# Allegro board RK3588S_Template_LP5D315P232SD10H2_42x42_2750MHz_1R2_V10_20220413YWQ.brd (continued)
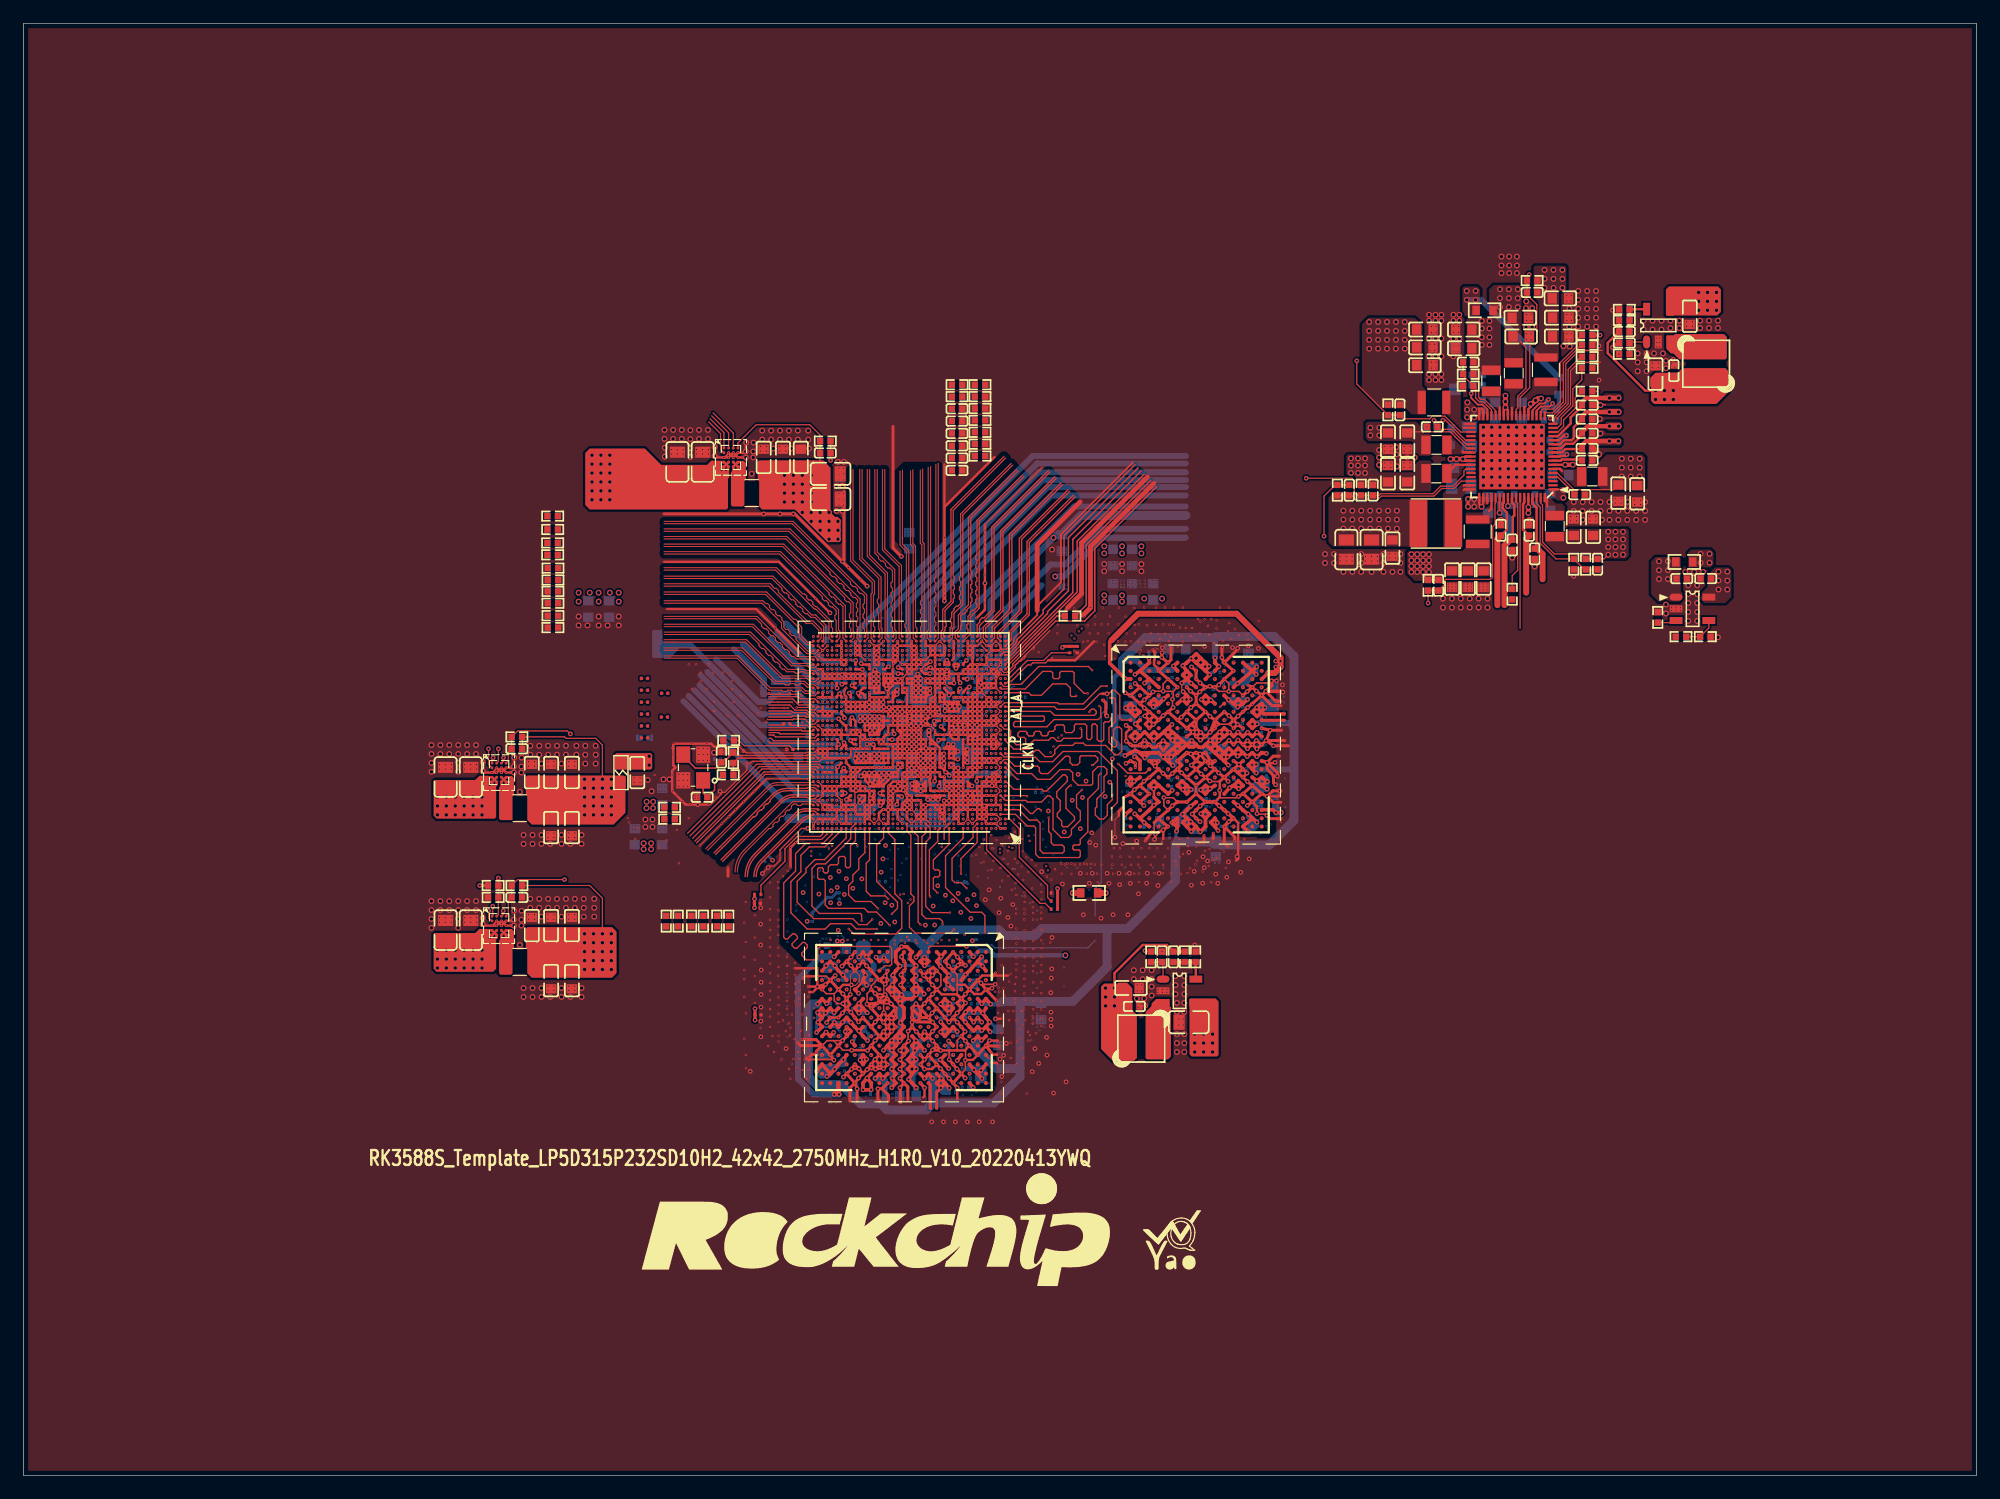
[diagram p0: board, top side]
## Nets (continued)
VCCIO5_1V8: C1904.1 R1908.1 R1909.1 U1000.AF36(VCCIO5_1V8)
VCCIO_FLASH: C1300.1 U1000.AB35(EMMCIO_1V8_1) U1000.AC35(EMMCIO_1V8_2)
VCCIO_SD_S0: C1301.1 C2253.1 U1000.AK10(VCCIO2) U2200.65(PLDO5)
VDD2_DDR_S3: C1254.1 C1256.1 C1259.1 C1260.1 C1261.1 C1266.1 C1267.1 C1268.1 C1270.1 C1272.1 C1273.1 C1274.1 C2214.1 C2215.1 C2216.1 C3930.1 C3931.1 C3932.1 C3934.1 C3935.1 C3936.1 C3937.1 C3938.1 C3940.1 C3943.1 C3944.1 C3945.1 C3946.1 C3949.1 C3980.1 C3981.1 C3982.1 C3983.1 C3987.1 C3990.1 C3991.1 C3992.1 C3993.1 C3994.1 C3996.1 C3999.1 C9923.1 L2202.1 R2218.1 R3920.1 U2200.30(VOUT6) U3900.A7(VDD2H_1) U3900.A8(VDD2H_2) U3900.A9(VDD2H_3) U3900.AA7(VDD2H_57) U3900.AA9(VDD2H_58) U3900.AB7(VDD2H_59) U3900.AB8(VDD2H_60) U3900.AB9(VDD2H_61) U3900.B7(VDD2H_4) U3900.B9(VDD2H_5) U3900.C7(VDD2H_6) U3900.C9(VDD2H_7) U3900.D8(VDD2H_8) U3900.E7(VDD2H_9) U3900.E9(VDD2H_10) U3900.F6(VDD2H_11) U3900.F7(VDD2H_12) U3900.F9(VDD2H_13) U3900.F10(VDD2H_14) U3900.J5(VDD2H_15) U3900.J11(VDD2H_16) U3900.K1(VDD2H_17) U3900.K2(VDD2H_18) U3900.K3(VDD2H_19) U3900.K4(VDD2H_20) U3900.K5(VDD2H_21) U3900.K6(VDD2H_22) U3900.K10(VDD2H_23) U3900.K11(VDD2H_24) U3900.K12(VDD2H_25) U3900.K13(VDD2H_26) U3900.K14(VDD2H_27) U3900.K15(VDD2H_28) U3900.L6(VDD2H_29) U3900.L7(VDD2H_30) U3900.L8(VDD2H_31) U3900.L9(VDD2H_32) U3900.L10(VDD2H_33) U3900.M1(VDD2H_34) U3900.M2(VDD2H_35) U3900.M3(VDD2H_36) U3900.M4(VDD2H_37) U3900.M5(VDD2H_38) U3900.M6(VDD2H_39) U3900.M10(VDD2H_40) U3900.M11(VDD2H_41) U3900.M12(VDD2H_42) U3900.M13(VDD2H_43) U3900.M14(VDD2H_44) U3900.M15(VDD2H_45) U3900.N5(VDD2H_46) U3900.N11(VDD2H_47) U3900.T6(VDD2H_48) U3900.T7(VDD2H_49) U3900.T9(VDD2H_50) U3900.T10(VDD2H_51) U3900.V7(VDD2H_52) U3900.V9(VDD2H_53) U3900.W8(VDD2H_54) U3900.Y7(VDD2H_55) U3900.Y9(VDD2H_56) U3901.A7(VDD2H_1) U3901.A8(VDD2H_2) U3901.A9(VDD2H_3) U3901.AA7(VDD2H_57) U3901.AA9(VDD2H_58) U3901.AB7(VDD2H_59) U3901.AB8(VDD2H_60) U3901.AB9(VDD2H_61) U3901.B7(VDD2H_4) U3901.B9(VDD2H_5) U3901.C7(VDD2H_6) U3901.C9(VDD2H_7) U3901.D8(VDD2H_8) U3901.E7(VDD2H_9) U3901.E9(VDD2H_10) U3901.F6(VDD2H_11) U3901.F7(VDD2H_12) U3901.F9(VDD2H_13) U3901.F10(VDD2H_14) U3901.J5(VDD2H_15) U3901.J11(VDD2H_16) U3901.K1(VDD2H_17) U3901.K2(VDD2H_18) U3901.K3(VDD2H_19) U3901.K4(VDD2H_20) U3901.K5(VDD2H_21) U3901.K6(VDD2H_22) U3901.K10(VDD2H_23) U3901.K11(VDD2H_24) U3901.K12(VDD2H_25) U3901.K13(VDD2H_26) U3901.K14(VDD2H_27) U3901.K15(VDD2H_28) U3901.L6(VDD2H_29) U3901.L7(VDD2H_30) U3901.L8(VDD2H_31) U3901.L9(VDD2H_32) U3901.L10(VDD2H_33) U3901.M1(VDD2H_34) U3901.M2(VDD2H_35) U3901.M3(VDD2H_36) U3901.M4(VDD2H_37) U3901.M5(VDD2H_38) U3901.M6(VDD2H_39) U3901.M10(VDD2H_40) U3901.M11(VDD2H_41) U3901.M12(VDD2H_42) U3901.M13(VDD2H_43) U3901.M14(VDD2H_44) U3901.M15(VDD2H_45) U3901.N5(VDD2H_46) U3901.N11(VDD2H_47) U3901.T6(VDD2H_48) U3901.T7(VDD2H_49) U3901.T9(VDD2H_50) U3901.T10(VDD2H_51) U3901.V7(VDD2H_52) U3901.V9(VDD2H_53) U3901.W8(VDD2H_54) U3901.Y7(VDD2H_55) U3901.Y9(VDD2H_56)
VDD2L_0V9_DDR_S3: C1292.1 C1293.1 C1294.1 C3900.1 C3901.1 C3902.1 C3903.1 C3904.1 C3905.1 C3906.1 C3907.1 C3908.1 C3950.1 C3951.1 C3952.1 C3953.1 C3954.1 C3955.1 C3956.1 C3957.1 C3958.1 L3900.2 R3951.1 U3900.A6(VDD2L_1) U3900.A10(VDD2L_2) U3900.AA6(VDD2L_13) U3900.AA10(VDD2L_14) U3900.AB6(VDD2L_15) U3900.AB10(VDD2L_16) U3900.B6(VDD2L_3) U3900.B10(VDD2L_4) U3900.H2(VDD2L_5) U3900.H14(VDD2L_6) U3900.J2(VDD2L_7) U3900.J14(VDD2L_8) U3900.N2(VDD2L_9) U3900.N14(VDD2L_10) U3900.P2(VDD2L_11) U3900.P14(VDD2L_12) U3901.A6(VDD2L_1) U3901.A10(VDD2L_2) U3901.AA6(VDD2L_13) U3901.AA10(VDD2L_14) U3901.AB6(VDD2L_15) U3901.AB10(VDD2L_16) U3901.B6(VDD2L_3) U3901.B10(VDD2L_4) U3901.H2(VDD2L_5) U3901.H14(VDD2L_6) U3901.J2(VDD2L_7) U3901.J14(VDD2L_8) U3901.N2(VDD2L_9) U3901.N14(VDD2L_10) U3901.P2(VDD2L_11) U3901.P14(VDD2L_12)
VDD_0V75_S3: C1105.1 C1125.1 C2255.1 U1000.AJ36(PMU_0V75_1) U1000.AJ37(PMU_0V75_2) U2200.14(NLDO1)
VDD_CPU_BIG0_S0: C1002.1 C1003.1 C1008.1 C1009.1 C1010.1 C1011.1 C1052.1 C1053.1 C1073.1 C1074.1 C1075.1 C2304.1 C2305.1 C2306.1 C2306.2 C2307.1 C2308.1 C2309.1 L2300.2 R2300.1 R2300.2 U1000.K27(VDD_CPU_BIG0_MEM_1) U1000.K28(VDD_CPU_BIG0_MEM_2) U1000.K29(VDD_CPU_BIG0_MEM_3) U1000.K30(VDD_CPU_BIG0_MEM_4) U1000.M24(VDD_CPU_BIG0_1) U1000.M25(VDD_CPU_BIG0_2) U1000.M28(VDD_CPU_BIG0_3) U1000.M29(VDD_CPU_BIG0_4) U1000.M30(VDD_CPU_BIG0_5) U1000.N24(VDD_CPU_BIG0_6) U1000.N25(VDD_CPU_BIG0_7) U1000.P23(VDD_CPU_BIG0_8) U1000.R23(VDD_CPU_BIG0_9) U1000.R24(VDD_CPU_BIG0_10) U2300.A4(VOUT)
VDD_CPU_BIG1_MEM_S0: C1025.1 C1026.1 C1076.1 C2316.1 FB2300.2 U1000.V26(VDD_CPU_BIG1_MEM_1) U1000.V27(VDD_CPU_BIG1_MEM_2) U1000.V28(VDD_CPU_BIG1_MEM_3) U1000.V29(VDD_CPU_BIG1_MEM_4)
VDD_CPU_BIG1_S0: C1012.1 C1013.1 C1014.1 C1015.1 C1056.1 C1057.1 C1077.1 C1078.1 C1079.1 C2310.1 C2310.2 C2311.1 C2312.1 C2313.1 C2314.1 C2315.1 FB2300.1 L2301.2 R2301.1 R2301.2 U1000.R26(VDD_CPU_BIG1_1) U1000.R27(VDD_CPU_BIG1_2) U1000.R28(VDD_CPU_BIG1_3) U1000.R29(VDD_CPU_BIG1_4) U1000.R30(VDD_CPU_BIG1_5) U1000.R31(VDD_CPU_BIG1_6) U1000.R32(VDD_CPU_BIG1_7) U1000.R33(VDD_CPU_BIG1_8) U1000.T26(VDD_CPU_BIG1_9) U1000.U26(VDD_CPU_BIG1_10) U2301.A4(VOUT)
VDD_CPU_LIT_S0: C1027.1 C1028.1 C1029.1 C1034.1 C1035.1 C1060.1 C1061.1 C1081.1 C1082.1 C1083.1 C2217.1 C2218.1 C2221.1 C2221.2 C2281.1 L2203.2 R2219.1 R2219.2 U1000.AA28(VDD_CPU_LIT_MEM_1) U1000.AA29(VDD_CPU_LIT_MEM_2) U1000.AA30(VDD_CPU_LIT_MEM_3) U1000.AB31(VDD_CPU_LIT_1) U1000.AC27(VDD_CPU_LIT_2) U1000.AC28(VDD_CPU_LIT_3) U1000.AC29(VDD_CPU_LIT_4) U1000.AC30(VDD_CPU_LIT_5) U1000.AC31(VDD_CPU_LIT_6) U1000.AD26(VDD_CPU_LIT_7) U1000.AD27(VDD_CPU_LIT_8) U1000.AE27(VDD_CPU_LIT_9) U2200.37(VOUT2)
VDD_DDR_S0: C1217.1 C1218.1 C1219.1 C1220.1 C1221.1 C1222.1 C1223.1 C1224.1 C2202.1 C2203.1 C9922.1 C9922.2 L2200.1 R2200.1 R2200.2 U1000.J18(DDR_CH1_VDD_1) U1000.J20(DDR_CH1_VDD_MIF_1) U1000.K18(DDR_CH1_VDD_2) U1000.K20(DDR_CH1_VDD_MIF_2) U1000.L18(DDR_CH1_VDD_3) U1000.L20(DDR_CH1_VDD_MIF_3) U1000.T12(DDR_CH0_VDD_1) U1000.T13(DDR_CH0_VDD_2) U1000.U12(DDR_CH0_VDD_3) U1000.U13(DDR_CH0_VDD_4) U1000.V12(DDR_CH0_VDD_MIF_1) U1000.V13(DDR_CH0_VDD_MIF_2) U1000.V14(DDR_CH0_VDD_MIF_3) U2200.46(VOUT5)
VDD_GPU_S0: C1000.1 C1001.1 C1004.1 C1005.1 C1006.1 C1007.1 C1050.1 C1051.1 C1070.1 C1071.1 C1072.1 C1087.1 C2205.1 C2209.1 C2209.2 C2210.1 C2280.1 L2201.2 R2208.1 R2208.2 U1000.AH18(VDD_GPU_1) U1000.AH19(VDD_GPU_2) U1000.AH20(VDD_GPU_3) U1000.AH21(VDD_GPU_4) U1000.AJ18(VDD_GPU_MEM_1) U1000.AJ19(VDD_GPU_5) U1000.AJ20(VDD_GPU_6) U1000.AJ21(VDD_GPU_7) U1000.AK18(VDD_GPU_MEM_2) U1000.AK21(VDD_GPU_8) U1000.AL18(VDD_GPU_MEM_3) U1000.AL21(VDD_GPU_9) U1000.AM21(VDD_GPU_10) U1000.AM22(VDD_GPU_11) U1000.AN21(VDD_GPU_12) U1000.AN22(VDD_GPU_13) U2200.49(VOUT1)
VDD_LOGIC_S0: C1017.1 C1019.1 C1020.1 C1021.1 C1022.1 C1023.1 C1024.1 C1058.1 C1059.1 C2230.1 C2230.2 C2231.1 C2232.1 C2282.1 L2205.2 R2238.1 R2238.2 U1000.AF12(VDD_LOGIC_5) U1000.AF13(VDD_LOGIC_6) U1000.AH11(VDD_LOGIC_7) U1000.AH12(VDD_LOGIC_8) U1000.AH13(VDD_LOGIC_9) U1000.AH14(VDD_LOGIC_10) U1000.AH15(VDD_LOGIC_11) U1000.AH23(VDD_LOGIC_12) U1000.AH24(VDD_LOGIC_13) U1000.AJ15(VDD_LOGIC_14) U1000.AJ31(VDD_LOGIC_15) U1000.AJ32(VDD_LOGIC_16) U1000.AK15(VDD_LOGIC_17) U1000.AL31(VDD_LOGIC_18) U1000.H27(VDD_LOGIC_1) U1000.J27(VDD_LOGIC_2) U1000.W33(VDD_LOGIC_3) U1000.Y33(VDD_LOGIC_4) U2200.56(VOUT3)
VDD_NPU_S0: C1038.1 C1039.1 C1040.1 C1041.1 C1042.1 C1043.1 C1054.1 C1055.1 C1084.1 C1085.1 C2319.1 C2319.2 C2320.1 C2321.1 C2322.1 C2323.1 C2324.1 L2302.2 R2304.1 R2304.2 U1000.AH25(VDD_NPU_MEM_1) U1000.AH26(VDD_NPU_MEM_2) U1000.AJ25(VDD_NPU_MEM_3) U1000.AK25(VDD_NPU_MEM_4) U1000.AK27(VDD_NPU_1) U1000.AK28(VDD_NPU_2) U1000.AK29(VDD_NPU_3) U1000.AL28(VDD_NPU_4) U1000.AL29(VDD_NPU_5) U1000.AL30(VDD_NPU_6) U1000.AM30(VDD_NPU_7) U1000.AN30(VDD_NPU_8) U1000.AP30(VDD_NPU_9) U2302.A4(VOUT)
VDD_VDENC_S0: C1030.1 C1031.1 C1032.1 C1033.1 C1036.1 C1037.1 C1063.1 C1080.1 C1090.1 C2237.1 C2240.1 C2283.1 C2291.1 C2291.2 L2207.2 R2209.1 R2209.2 U1000.AC16(VDD_VDENC_6) U1000.AD15(VDD_VDENC_7) U1000.P15(VDD_VDENC_1) U1000.R15(VDD_VDENC_2) U1000.T15(VDD_VDENC_3) U1000.U15(VDD_VDENC_4) U1000.W16(VDD_VDENC_5) U1000.W17(VDD_VDENC_MEM_1) U1000.Y17(VDD_VDENC_MEM_2) U2200.24(VOUT4)
VDDA_0V75_S0: C1103.1 C1113.1 C1407.1 C1507.1 C1602.1 C1603.1 C1605.1 C1611.1 C1613.1 C1710.1 C1711.1 C1712.1 C1718.1 C1725.1 C2259.1 U1000.AM13(HDMI/EDP_TX0_VDD_0V75_1) U1000.AM37(MIPI_CSI0_AVCC0V75) U1000.AN8(OTP_VDDOTP_0V75) U1000.AN10(HDMI/EDP_TX0_AVDD_0V75) U1000.AN12(HDMI/EDP_TX0_VDD_0V75_2) U1000.AR27(MIPI_D/C_PHY1_VDD) U1000.AR33(MIPI_D/C_PHY0_VDD) U1000.AT11(USB20_DVDD_0V75_1) U1000.AT12(USB20_DVDD_0V75_2) U1000.Y26(PLL_DVDD0V75) U2200.11(NLDO3)
VDDA_0V85_S0: C1400.1 C1401.1 C1402.1 C1800.1 C1801.1 C2263.1 U1000.AP18(TYPEC0_DP0_VDDA_0V85_1) U1000.AR19(TYPEC0_DP0_VDDA_0V85_2) U1000.AT18(TYPEC0_DP0_VDD_0V85) U1000.H36(PCIE20_SATA30_0_AVDD_0V85) U1000.J36(PCIE20_SATA30_USB30_2_AVDD_0V85) U2200.10(NLDO4)
VDDA_1V2_S0: C1607.1 C1608.1 C2250.1 U1000.AR34(MIPI_D/C_PHY_VDD_1V2_1) U1000.AR35(MIPI_D/C_PHY_VDD_1V2_2) U2200.57(PLDO3)
VDDA_DDR_PLL_S0: C1210.1 C1215.1 C2258.1 U1000.AB14(DDR_CH0_PLL_DVDD) U1000.M16(DDR_CH1_PLL_DVDD) U2200.12(NLDO2)
VDDQ_DDR_CK_S0: C1200.1 C1202.1 C1203.1 C1204.1 C1205.1 C1206.1 C1207.1 C1208.1 C1213.1 C1216.1 C1250.1 C1251.1 C1252.1 C1253.1 C1263.1 C1264.1 C1265.1 C1280.1 C1281.1 C1282.1 C1283.1 C1284.1 C1285.1 C1286.1 C2227.1 C2228.1 C2229.1 C3913.1 C3914.1 C3915.1 C3916.1 C3917.1 C3918.1 C3919.1 C3920.1 C3921.1 C3922.1 C3923.1 C3924.1 C3925.1 C3926.1 C3927.1 C3928.1 C3929.1 C3963.1 C3964.1 C3965.1 C3966.1 C3967.1 C3968.1 C3969.1 C3970.1 C3971.1 C3972.1 C3973.1 C3974.1 C3975.1 C3976.1 C3977.1 C3978.1 C3979.1 C3984.1 C3985.1 C3986.1 L2204.1 R1200.2 R1201.2 R1202.2 R1203.2 R2236.1 R3900.2 R3901.2 U1000.H14(DDR_CH1_VDDQ_1) U1000.H15(DDR_CH1_VDDQ_2) U1000.H16(DDR_CH1_VDDQ_3) U1000.H18(DDR_CH1_VDDQ_4) U1000.H20(DDR_CH1_VDDQ_5) U1000.H24(DDR_CH1_VDDQ_CK) U1000.K9(DDR_CH0_VDDQ_CK_1) U1000.L9(DDR_CH0_VDDQ_CK_2) U1000.P10(DDR_CH0_VDDQ_1) U1000.R10(DDR_CH0_VDDQ_2) U1000.T10(DDR_CH0_VDDQ_3) U1000.V10(DDR_CH0_VDDQ_4) U1000.W10(DDR_CH0_VDDQ_5) U1000.Y10(DDR_CH0_VDDQ_6) U2200.67(VOUT9) U3900.A3(VDDQ_1) U3900.A13(VDDQ_2) U3900.AA2(VDDQ_37) U3900.AA14(VDDQ_38) U3900.AB3(VDDQ_39) U3900.AB13(VDDQ_40) U3900.B2(VDDQ_3) U3900.B14(VDDQ_4) U3900.C3(VDDQ_5) U3900.C13(VDDQ_6) U3900.D4(VDDQ_7) U3900.D12(VDDQ_8) U3900.E5(VDDQ_9) U3900.E11(VDDQ_10) U3900.F1(VDDQ_11) U3900.F3(VDDQ_12) U3900.F4(VDDQ_13) U3900.F12(VDDQ_14) U3900.F13(VDDQ_15) U3900.F15(VDDQ_16) U3900.G1(VDDQ_17) U3900.G2(VDDQ_18) U3900.G14(VDDQ_19) U3900.G15(VDDQ_20) U3900.R1(VDDQ_21) U3900.R2(VDDQ_22) U3900.R14(VDDQ_23) U3900.R15(VDDQ_24) U3900.T1(VDDQ_25) U3900.T3(VDDQ_26) U3900.T4(VDDQ_27) U3900.T12(VDDQ_28) U3900.T13(VDDQ_29) U3900.T15(VDDQ_30) U3900.V5(VDDQ_31) U3900.V11(VDDQ_32) U3900.W4(VDDQ_33) U3900.W12(VDDQ_34) U3900.Y3(VDDQ_35) U3900.Y13(VDDQ_36) U3901.A3(VDDQ_1) U3901.A13(VDDQ_2) U3901.AA2(VDDQ_37) U3901.AA14(VDDQ_38) U3901.AB3(VDDQ_39) U3901.AB13(VDDQ_40) U3901.B2(VDDQ_3) U3901.B14(VDDQ_4) U3901.C3(VDDQ_5) U3901.C13(VDDQ_6) U3901.D4(VDDQ_7) U3901.D12(VDDQ_8) U3901.E5(VDDQ_9) U3901.E11(VDDQ_10) U3901.F1(VDDQ_11) U3901.F3(VDDQ_12) U3901.F4(VDDQ_13) U3901.F12(VDDQ_14) U3901.F13(VDDQ_15) U3901.F15(VDDQ_16) U3901.G1(VDDQ_17) U3901.G2(VDDQ_18) U3901.G14(VDDQ_19) U3901.G15(VDDQ_20) U3901.R1(VDDQ_21) U3901.R2(VDDQ_22) U3901.R14(VDDQ_23) U3901.R15(VDDQ_24) U3901.T1(VDDQ_25) U3901.T3(VDDQ_26) U3901.T4(VDDQ_27) U3901.T12(VDDQ_28) U3901.T13(VDDQ_29) U3901.T15(VDDQ_30) U3901.V5(VDDQ_31) U3901.V11(VDDQ_32) U3901.W4(VDDQ_33) U3901.W12(VDDQ_34) U3901.Y3(VDDQ_35) U3901.Y13(VDDQ_36)
VDDQ_DDR_CKE_S3: C1211.1 C1212.1 R3920.2 U1000.G24(DDR_CH1_VDDQ_CKE) U1000.M6(DDR_CH0_VDDQ_CKE_1) U1000.M7(DDR_CH0_VDDQ_CKE_2)
ALPS_INT_L: U1000.N41(GPIO1_C1_Z)
BIG/NPU_EN: R2302.2 R2303.1 U2300.A2(EN) U2301.A2(EN) U2302.A2(EN)
BQ_OTG_EN_H: U1000.AV18(GPIO4_A6_D)
BT_REG_ON_H: U1000.AL39(GPIO0_D4_U)
BT_WAKE_HOST_H: U1000.AG38(GPIO0_C5_U)
CC_INT0_L: U1000.AL38(GPIO0_C4_D)
CHRG_OK_H: U1000.AM39(GPIO0_D5_U)
DDR_CH0_A0_A: U1000.U1(DDR_CH0_A0_A) U3900.G4(CA0_A)
DDR_CH0_A0_B: U1000.U2(DDR_CH0_A0_B) U3900.R12(CA0_B)
DDR_CH0_A1_A: U1000.AC2(DDR_CH0_A1_A) U3900.H5(CA1_A)
DDR_CH0_A1_B: U1000.R2(DDR_CH0_A1_B) U3900.P11(CA1_B)
DDR_CH0_A2_A: U1000.AF1(DDR_CH0_A2_A) U3900.G8(CA2_A)
DDR_CH0_A2_B: U1000.R1(DDR_CH0_A2_B) U3900.R8(CA2_B)
DDR_CH0_A3_A: U1000.AL2(DDR_CH0_A3_A) U3900.H11(CA3_A)
DDR_CH0_A3_B: U1000.D2(DDR_CH0_A3_B) U3900.P5(CA3_B)
DDR_CH0_A4_A: U1000.Y1(DDR_CH0_A4_A) U3900.G10(CA4_A)
DDR_CH0_A4_B: U1000.E1(DDR_CH0_A4_B) U3900.R6(CA4_B)
DDR_CH0_A5_A: U1000.AG2(DDR_CH0_A5_A) U3900.H13(CA5_A)
DDR_CH0_A5_B: U1000.L1(DDR_CH0_A5_B) U3900.P3(CA5_B)
DDR_CH0_A6_A: U1000.AM2(DDR_CH0_A6_A) U3900.G12(CA6_A)
DDR_CH0_A6_B: U1000.H1(DDR_CH0_A6_B) U3900.R4(CA6_B)
DDR_CH0_CLKN_A: U1000.AA1(DDR_CH0_CKB_A) U3900.J9(CK_C_A)
DDR_CH0_CLKN_B: U1000.V1(DDR_CH0_CKB_B) U3900.N7(CK_C_B)
DDR_CH0_CLKP_A: U1000.AA2(DDR_CH0_CK_A) U3900.H9(CK_T_A)
DDR_CH0_CLKP_B: U1000.V2(DDR_CH0_CK_B) U3900.P7(CK_T_B)
DDR_CH0_DM0_A: U1000.AE1(DDR_CH0_DM0_A) U3900.A4(DMI0_A)
DDR_CH0_DM0_B: U1000.V5(DDR_CH0_DM0_B) U3900.AB12(DMI0_B)
DDR_CH0_DM1_A: U1000.AK4(DDR_CH0_DM1_A) U3900.A12(DMI1_A)
DDR_CH0_DM1_B: U1000.G2(DDR_CH0_DM1_B) U3900.AB4(DMI1_B)
DDR_CH0_DQ0_A: U1000.AJ2(DDR_CH0_DQ0_A) U3900.D1(DQ0_A)
DDR_CH0_DQ0_B: U1000.U3(DDR_CH0_DQ0_B) U3900.W15(DQ0_B)
DDR_CH0_DQ1_A: U1000.AB4(DDR_CH0_DQ1_A) U3900.C2(DQ1_A)
DDR_CH0_DQ1_B: U1000.AA5(DDR_CH0_DQ1_B) U3900.Y14(DQ1_B)
DDR_CH0_DQ2_A: U1000.AJ1(DDR_CH0_DQ2_A) U3900.E2(DQ2_A)
DDR_CH0_DQ2_B: U1000.N1(DDR_CH0_DQ2_B) U3900.V14(DQ2_B)
DDR_CH0_DQ3_A: U1000.AB3(DDR_CH0_DQ3_A) U3900.D3(DQ3_A)
DDR_CH0_DQ3_B: U1000.U5(DDR_CH0_DQ3_B) U3900.W13(DQ3_B)
DDR_CH0_DQ4_A: U1000.AB5(DDR_CH0_DQ4_A) U3900.B5(DQ4_A)
DDR_CH0_DQ4_B: U1000.P4(DDR_CH0_DQ4_B) U3900.AA11(DQ4_B)
DDR_CH0_DQ5_A: U1000.AE5(DDR_CH0_DQ5_A) U3900.C6(DQ5_A)
DDR_CH0_DQ5_B: U1000.P3(DDR_CH0_DQ5_B) U3900.Y10(DQ5_B)
DDR_CH0_DQ6_A: U1000.AE2(DDR_CH0_DQ6_A) U3900.E6(DQ6_A)
DDR_CH0_DQ6_B: U1000.U4(DDR_CH0_DQ6_B) U3900.V10(DQ6_B)
DDR_CH0_DQ7_A: U1000.AF3(DDR_CH0_DQ7_A) U3900.F5(DQ7_A)
DDR_CH0_DQ7_B: U1000.P5(DDR_CH0_DQ7_B) U3900.T11(DQ7_B)
DDR_CH0_DQ8_A: U1000.AK5(DDR_CH0_DQ8_A) U3900.D15(DQ8_A)
DDR_CH0_DQ8_B: U1000.G5(DDR_CH0_DQ8_B) U3900.W1(DQ8_B)
DDR_CH0_DQ9_A: U1000.AN5(DDR_CH0_DQ9_A) U3900.C14(DQ9_A)
DDR_CH0_DQ9_B: U1000.J3(DDR_CH0_DQ9_B) U3900.Y2(DQ9_B)
DDR_CH0_DQ10_A: U1000.AN4(DDR_CH0_DQ10_A) U3900.E14(DQ10_A)
DDR_CH0_DQ10_B: U1000.G4(DDR_CH0_DQ10_B) U3900.V2(DQ10_B)
DDR_CH0_DQ11_A: U1000.AJ6(DDR_CH0_DQ11_A) U3900.D13(DQ11_A)
DDR_CH0_DQ11_B: U1000.J4(DDR_CH0_DQ11_B) U3900.W3(DQ11_B)
DDR_CH0_DQ12_A: U1000.AJ3(DDR_CH0_DQ12_A) U3900.B11(DQ12_A)
DDR_CH0_DQ12_B: U1000.N5(DDR_CH0_DQ12_B) U3900.AA5(DQ12_B)
DDR_CH0_DQ13_A: U1000.AK3(DDR_CH0_DQ13_A) U3900.C10(DQ13_A)
DDR_CH0_DQ13_B: U1000.N2(DDR_CH0_DQ13_B) U3900.Y6(DQ13_B)
DDR_CH0_DQ14_A: U1000.AF4(DDR_CH0_DQ14_A) U3900.E10(DQ14_A)
DDR_CH0_DQ14_B: U1000.J5(DDR_CH0_DQ14_B) U3900.V6(DQ14_B)
DDR_CH0_DQ15_A: U1000.AF5(DDR_CH0_DQ15_A) U3900.F11(DQ15_A)
DDR_CH0_DQ15_B: U1000.N6(DDR_CH0_DQ15_B) U3900.T5(DQ15_B)
DDR_CH0_DQS0N_A: U1000.AN2(DDR_CH0_DQS0N_A) U3900.C4(RDQS0_C_A)
DDR_CH0_DQS0N_B: U1000.B1(DDR_CH0_DQS0N_B) U3900.Y12(RDQS0_C_B)
DDR_CH0_DQS0P_A: U1000.AN1(DDR_CH0_DQS0P_A) U3900.B3(RDQS0_T_A)
DDR_CH0_DQS0P_B: U1000.B2(DDR_CH0_DQS0P_B) U3900.AA13(RDQS0_T_B)
DDR_CH0_DQS1N_A: U1000.AV3(DDR_CH0_DQS1N_A) U3900.C12(RDQS1_C_A)
DDR_CH0_DQS1N_B: U1000.K2(DDR_CH0_DQS1N_B) U3900.Y4(RDQS1_C_B)
DDR_CH0_DQS1P_A: U1000.AV4(DDR_CH0_DQS1P_A) U3900.B13(RDQS1_T_A)
DDR_CH0_DQS1P_B: U1000.K1(DDR_CH0_DQS1P_B) U3900.AA3(RDQS1_T_B)
DDR_CH0_LP4/4X_CKE0/LP5_CS0_A: U1000.AK1(DDR_CH0_LP4/4X_CKE0/LP5_CS0_A) U3900.H7(CS0_A)
DDR_CH0_LP4/4X_CKE0/LP5_CS0_B: U1000.H2(DDR_CH0_LP4/4X_CKE0/LP5_CS0_B) U3900.P9(CS0_B)
DDR_CH0_LP4/4X_CKE1/LP5_CS1_A: U1000.AD1(DDR_CH0_LP4/4X_CKE1/LP5_CS1_A) U3900.G6(CS1_A)
DDR_CH0_LP4/4X_CKE1/LP5_CS1_B: U1000.F1(DDR_CH0_LP4/4X_CKE1/LP5_CS1_B) U3900.R10(CS1_B)
DDR_CH0_LP4/4X_CS0_A: U1000.Y2(DDR_CH0_LP4/4X_CS0_A)
DDR_CH0_LP4/4X_CS0_B: U1000.J1(DDR_CH0_LP4/4X_CS0_B)
DDR_CH0_LP4/4X_CS1_A: U1000.AC1(DDR_CH0_LP4/4X_CS1_A)
DDR_CH0_LP4/4X_CS1_B: U1000.M1(DDR_CH0_LP4/4X_CS1_B)
DDR_CH0_WCK0N_A: U1000.AR5(DDR_CH0_WCK0N_A) U3900.D5(WCK0_C_A)
DDR_CH0_WCK0N_B: U1000.C3(DDR_CH0_WCK0N_B) U3900.W11(WCK0_C_B)
DDR_CH0_WCK0P_A: U1000.AR6(DDR_CH0_WCK0P_A) U3900.E4(WCK0_T_A)
DDR_CH0_WCK0P_B: U1000.C4(DDR_CH0_WCK0P_B) U3900.V12(WCK0_T_B)
DDR_CH0_WCK1N_A: U1000.AT3(DDR_CH0_WCK1N_A) U3900.D11(WCK1_C_A)
DDR_CH0_WCK1N_B: U1000.E4(DDR_CH0_WCK1N_B) U3900.W5(WCK1_C_B)
DDR_CH0_WCK1P_A: U1000.AT4(DDR_CH0_WCK1P_A) U3900.E12(WCK1_T_A)
DDR_CH0_WCK1P_B: U1000.E3(DDR_CH0_WCK1P_B) U3900.V4(WCK1_T_B)
DDR_CH1_A0_C: U1000.B18(DDR_CH1_A0_C) U3901.G4(CA0_A)
DDR_CH1_A0_D: U1000.A26(DDR_CH1_A0_D) U3901.R12(CA0_B)
DDR_CH1_A1_C: U1000.A21(DDR_CH1_A1_C) U3901.H5(CA1_A)
DDR_CH1_A1_D: U1000.A27(DDR_CH1_A1_D) U3901.P11(CA1_B)
DDR_CH1_A2_C: U1000.B22(DDR_CH1_A2_C) U3901.G8(CA2_A)
DDR_CH1_A2_D: U1000.A30(DDR_CH1_A2_D) U3901.R8(CA2_B)
DDR_CH1_A3_C: U1000.A7(DDR_CH1_A3_C) U3901.H11(CA3_A)
DDR_CH1_A3_D: U1000.A36(DDR_CH1_A3_D) U3901.P5(CA3_B)
DDR_CH1_A4_C: U1000.A10(DDR_CH1_A4_C) U3901.G10(CA4_A)
DDR_CH1_A4_D: U1000.B33(DDR_CH1_A4_D) U3901.R6(CA4_B)
DDR_CH1_A5_C: U1000.A15(DDR_CH1_A5_C) U3901.H13(CA5_A)
DDR_CH1_A5_D: U1000.A38(DDR_CH1_A5_D) U3901.P3(CA5_B)
DDR_CH1_A6_C: U1000.B7(DDR_CH1_A6_C) U3901.G12(CA6_A)
DDR_CH1_A6_D: U1000.A33(DDR_CH1_A6_D) U3901.R4(CA6_B)
DDR_CH1_CLKN_C: U1000.D21(DDR_CH1_CKB_C) U3901.J9(CK_C_A)
DDR_CH1_CLKN_D: U1000.D23(DDR_CH1_CKB_D) U3901.N7(CK_C_B)
DDR_CH1_CLKP_C: U1000.C21(DDR_CH1_CK_C) U3901.H9(CK_T_A)
DDR_CH1_CLKP_D: U1000.C23(DDR_CH1_CK_D) U3901.P7(CK_T_B)
DDR_CH1_DM0_C: U1000.E17(DDR_CH1_DM0_C) U3901.A4(DMI0_A)
DDR_CH1_DM0_D: U1000.D27(DDR_CH1_DM0_D) U3901.AB12(DMI0_B)
DDR_CH1_DM1_C: U1000.D13(DDR_CH1_DM1_C) U3901.A12(DMI1_A)
DDR_CH1_DM1_D: U1000.C33(DDR_CH1_DM1_D) U3901.AB4(DMI1_B)
DDR_CH1_DQ0_C: U1000.B20(DDR_CH1_DQ0_C) U3901.D1(DQ0_A)
DDR_CH1_DQ0_D: U1000.A24(DDR_CH1_DQ0_D) U3901.W15(DQ0_B)
DDR_CH1_DQ1_C: U1000.E20(DDR_CH1_DQ1_C) U3901.C2(DQ1_A)
DDR_CH1_DQ1_D: U1000.C25(DDR_CH1_DQ1_D) U3901.Y14(DQ1_B)
DDR_CH1_DQ2_C: U1000.A20(DDR_CH1_DQ2_C) U3901.E2(DQ2_A)
DDR_CH1_DQ2_D: U1000.B24(DDR_CH1_DQ2_D) U3901.V14(DQ2_B)
DDR_CH1_DQ3_C: U1000.F20(DDR_CH1_DQ3_C) U3901.D3(DQ3_A)
DDR_CH1_DQ3_D: U1000.A28(DDR_CH1_DQ3_D) U3901.W13(DQ3_B)
DDR_CH1_DQ4_C: U1000.C17(DDR_CH1_DQ4_C) U3901.B5(DQ4_A)
DDR_CH1_DQ4_D: U1000.D25(DDR_CH1_DQ4_D) U3901.AA11(DQ4_B)
DDR_CH1_DQ5_C: U1000.C16(DDR_CH1_DQ5_C) U3901.C6(DQ5_A)
DDR_CH1_DQ5_D: U1000.B28(DDR_CH1_DQ5_D) U3901.Y10(DQ5_B)
DDR_CH1_DQ6_C: U1000.D17(DDR_CH1_DQ6_C) U3901.E6(DQ6_A)
DDR_CH1_DQ6_D: U1000.C27(DDR_CH1_DQ6_D) U3901.V10(DQ6_B)
DDR_CH1_DQ7_C: U1000.D16(DDR_CH1_DQ7_C) U3901.F5(DQ7_A)
DDR_CH1_DQ7_D: U1000.C29(DDR_CH1_DQ7_D) U3901.T11(DQ7_B)
DDR_CH1_DQ8_C: U1000.D10(DDR_CH1_DQ8_C) U3901.D15(DQ8_A)
DDR_CH1_DQ8_D: U1000.D34(DDR_CH1_DQ8_D) U3901.W1(DQ8_B)
DDR_CH1_DQ9_C: U1000.B12(DDR_CH1_DQ9_C) U3901.C14(DQ9_A)
DDR_CH1_DQ9_D: U1000.D29(DDR_CH1_DQ9_D) U3901.Y2(DQ9_B)
DDR_CH1_DQ10_C: U1000.A12(DDR_CH1_DQ10_C) U3901.E14(DQ10_A)
DDR_CH1_DQ10_D: U1000.E29(DDR_CH1_DQ10_D) U3901.V2(DQ10_B)
DDR_CH1_DQ11_C: U1000.C10(DDR_CH1_DQ11_C) U3901.D13(DQ11_A)
DDR_CH1_DQ11_D: U1000.E32(DDR_CH1_DQ11_D) U3901.W3(DQ11_B)
DDR_CH1_DQ12_C: U1000.C13(DDR_CH1_DQ12_C) U3901.B11(DQ12_A)
DDR_CH1_DQ12_D: U1000.B32(DDR_CH1_DQ12_D) U3901.AA5(DQ12_B)
DDR_CH1_DQ13_C: U1000.E13(DDR_CH1_DQ13_C) U3901.C10(DQ13_A)
DDR_CH1_DQ13_D: U1000.C34(DDR_CH1_DQ13_D) U3901.Y6(DQ13_B)
DDR_CH1_DQ14_C: U1000.A16(DDR_CH1_DQ14_C) U3901.E10(DQ14_A)
DDR_CH1_DQ14_D: U1000.C32(DDR_CH1_DQ14_D) U3901.V6(DQ14_B)
DDR_CH1_DQ15_C: U1000.B16(DDR_CH1_DQ15_C) U3901.F11(DQ15_A)
DDR_CH1_DQ15_D: U1000.A32(DDR_CH1_DQ15_D) U3901.T5(DQ15_B)
DDR_CH1_DQS0N_C: U1000.B9(DDR_CH1_DQS0N_C) U3901.C4(RDQS0_C_A)
DDR_CH1_DQS0N_D: U1000.A41(DDR_CH1_DQS0N_D) U3901.Y12(RDQS0_C_B)
DDR_CH1_DQS0P_C: U1000.A9(DDR_CH1_DQS0P_C) U3901.B3(RDQS0_T_A)
DDR_CH1_DQS0P_D: U1000.B41(DDR_CH1_DQS0P_D) U3901.AA13(RDQS0_T_B)
DDR_CH1_DQS1N_C: U1000.A4(DDR_CH1_DQS1N_C) U3901.C12(RDQS1_C_A)
DDR_CH1_DQS1N_D: U1000.C36(DDR_CH1_DQS1N_D) U3901.Y4(RDQS1_C_B)
DDR_CH1_DQS1P_C: U1000.A3(DDR_CH1_DQS1P_C) U3901.B13(RDQS1_T_A)
DDR_CH1_DQS1P_D: U1000.D36(DDR_CH1_DQS1P_D) U3901.AA3(RDQS1_T_B)
DDR_CH1_LP4/4X_CKE0/LP5_CS0_C: U1000.A18(DDR_CH1_LP4/4X_CKE0/LP5_CS0_C) U3901.H7(CS0_A)
DDR_CH1_LP4/4X_CKE0/LP5_CS0_D: U1000.A35(DDR_CH1_LP4/4X_CKE0/LP5_CS0_D) U3901.P9(CS0_B)
DDR_CH1_LP4/4X_CKE1/LP5_CS1_C: U1000.A13(DDR_CH1_LP4/4X_CKE1/LP5_CS1_C) U3901.G6(CS1_A)
DDR_CH1_LP4/4X_CKE1/LP5_CS1_D: U1000.A31(DDR_CH1_LP4/4X_CKE1/LP5_CS1_D) U3901.R10(CS1_B)
DDR_CH1_LP4/4X_CS0_C: U1000.B15(DDR_CH1_LP4/4X_CS0_C)
DDR_CH1_LP4/4X_CS0_D: U1000.B30(DDR_CH1_LP4/4X_CS0_D)
DDR_CH1_LP4/4X_CS1_C: U1000.A19(DDR_CH1_LP4/4X_CS1_C)
DDR_CH1_LP4/4X_CS1_D: U1000.A23(DDR_CH1_LP4/4X_CS1_D)
DDR_CH1_WCK0N_C: U1000.D8(DDR_CH1_WCK0N_C) U3901.D5(WCK0_C_A)
DDR_CH1_WCK0N_D: U1000.A39(DDR_CH1_WCK0N_D) U3901.W11(WCK0_C_B)
DDR_CH1_WCK0P_C: U1000.C8(DDR_CH1_WCK0P_C) U3901.E4(WCK0_T_A)
DDR_CH1_WCK0P_D: U1000.B39(DDR_CH1_WCK0P_D) U3901.V12(WCK0_T_B)
DDR_CH1_WCK1N_C: U1000.A6(DDR_CH1_WCK1N_C) U3901.D11(WCK1_C_A)
DDR_CH1_WCK1N_D: U1000.B37(DDR_CH1_WCK1N_D) U3901.W5(WCK1_C_B)
DDR_CH1_WCK1P_C: U1000.B6(DDR_CH1_WCK1P_C) U3901.E12(WCK1_T_A)
DDR_CH1_WCK1P_D: U1000.A37(DDR_CH1_WCK1P_D) U3901.V4(WCK1_T_B)
DDR_RESET: C1298.1 C1299.1 U1000.AG1(DDR_CH0_RESET_A) U3900.H1(RESET_N) U3901.H1(RESET_N)
EDP_TX0_AUXN: U1000.AY1(HDMI_TX0_SBDN/EDP_TX0_AUXN)
EDP_TX0_AUXP: U1000.BA1(HDMI_TX0_SBDP/EDP_TX0_AUXP)
EDP_TX0_D0N: U1000.BA4(HDMI_TX0_D0N/EDP_TX0_D0N)
EDP_TX0_D0P: U1000.BB4(HDMI_TX0_D0P/EDP_TX0_D0P)
EDP_TX0_D1N: U1000.BB5(HDMI_TX0_D1N/EDP_TX0_D1N)
EDP_TX0_D1P: U1000.BA5(HDMI_TX0_D1P/EDP_TX0_D1P)
EDP_TX0_D2N: U1000.BA7(HDMI_TX0_D2N/EDP_TX0_D2N)
EDP_TX0_D2P: U1000.BB7(HDMI_TX0_D2P/EDP_TX0_D2P)
EDP_TX0_D3N: U1000.BB2(HDMI_TX0_D3N/EDP_TX0_D3N)
EDP_TX0_D3P: U1000.BA2(HDMI_TX0_D3P/EDP_TX0_D3P)
EMMC_CLKOUT: R1309.2
EMMC_CMD: R1306.2
EMMC_CMD/FSPI_CLK: R1306.1 R1316.1 U1000.AE42(GPIO2_A0_U)
EMMC_D0: R1300.2
EMMC_D0/FSPI_D0: R1300.1 R1308.1 U1000.Y41(GPIO2_D0_U)
EMMC_D1: R1301.2
EMMC_D1/FSPI_D1: R1301.1 R1310.1 U1000.Y40(GPIO2_D1_U)
EMMC_D2: R1302.2
EMMC_D2/FSPI_D2: R1302.1 R1312.1 U1000.AA41(GPIO2_D2_U)
EMMC_D3: R1303.2
EMMC_D3/FSPI_D3: R1303.1 R1313.1 U1000.AA42(GPIO2_D3_U)
EMMC_D4: R1305.2
EMMC_D5: R1330.2
EMMC_D6: R1304.2
EMMC_D6/FSPI_CS0: R1304.1 R1315.1 U1000.AD41(GPIO2_D6_U)
EMMC_D7: U1000.AE41(GPIO2_D7_U)
EMMC_DATA_STROBE: U1000.AC40(GPIO2_A2_D)
EMMC_RSTN: U1000.AD40(GPIO2_A3_D)
FSPI_CLK: R1316.2
FSPI_CS0: R1315.2
FSPI_D0: R1308.2
FSPI_D1: R1310.2
FSPI_D2: R1312.2
FSPI_D3: R1313.2
GAUGE_ALRT: U1000.AG39(GPIO0_D0_D)
GSENSOR_INT_L: U1000.R39(GPIO1_D3_D)
HALL_INT_L: U1000.AG37(GPIO0_D3_U)
HDMI0_TX_ON_H: U1000.AW22(GPIO4_B6_D)
HDMI/EDP_TX0_REXT: R1708.1 U1000.AY3(HDMI/EDP_TX0_REXT)
HDMI_TX0_CEC_M0: U1000.AY26(GPIO4_C1_D)
HDMI_TX0_HPD_M0: U1000.M40(GPIO1_A5_D)
HDMI_TX0_SCL_M0: U1000.AV22(GPIO4_B7_U)
HDMI_TX0_SDA_M0: U1000.AW23(GPIO4_C0_U)
HOST0_REXT: R1405.1 U1000.AW5(USB20_HOST0_REXT)
HOST1_REXT: R1406.1 U1000.AU6(USB20_HOST1_REXT)
HOST_WAKE_BT_H: U1000.AH42(GPIO0_C6_U)
HP_DET_L: U1000.R38(GPIO1_C0_Z)
I2C0_SCL_M2: R1111.2 U1000.AH41(GPIO0_D1_U) U2300.A3(SCL) U2301.A3(SCL)
I2C0_SDA_M2: R1112.2 U1000.AG41(GPIO0_D2_U) U2300.B1(SDA) U2301.B1(SDA)
I2C2_SCL_M0: R1113.2 U1000.AK39(GPIO0_B7_D) U2302.A3(SCL)
I2C2_SDA_M0: R1114.2 U1000.AM40(GPIO0_C0_D) U2302.B1(SDA)
I2C3_SCL_M1_SENSOR: R1904.2 U1000.AY34(GPIO3_B7_D)
I2C3_SDA_M1_SENSOR: R1905.2 U1000.AR36(GPIO3_C0_D)
I2C4_SCL_M3_TP: R1911.2 U1000.L39(GPIO1_A3_D)
I2C4_SDA_M3_TP: R1910.2 U1000.D38(GPIO1_A2_D)
I2C5_SCL_M3_CAM: R1916.2 U1000.L38(GPIO1_B6_U)
I2C5_SDA_M3_CAM: R1917.2 U1000.F37(GPIO1_B7_U)
I2C6_SCL_M3: R1914.2 U1000.AU22(GPIO4_B1_U)
I2C6_SDA_M3: R1915.2 U1000.AW27(GPIO4_B0_D)
I2C7_SCL_M0_CODEC: R1510.2 U1000.U37(GPIO1_D0_D)
I2C7_SDA_M0_CODEC: R1509.2 U1000.U38(GPIO1_D1_D)
I2C8_SCL_M2_CAM: R1921.2 U1000.L37(GPIO1_D6_U)
I2C8_SDA_M2_CAM: R1922.2 U1000.G38(GPIO1_D7_U)
I2S0_LRCK_TX: U1000.P39(GPIO1_C5_D)
I2S0_MCLK: U1000.U36(GPIO1_C2_D)
I2S0_SCLK_TX: U1000.M42(GPIO1_C3_D)
I2S0_SDI0: U1000.N42(GPIO1_D4_D)
I2S0_SDO0: U1000.P41(GPIO1_C7_D)
I2S2_LRCK_M1_BT: U1000.AW37(GPIO3_B6_D)
I2S2_SCLK_M1_BT: U1000.AY35(GPIO3_B5_U)
I2S2_SDI_M1_BT: U1000.AW34(GPIO3_B2_D)
I2S2_SDO_M1_BT: U1000.AW35(GPIO3_B3_U)
IR_CAM_NTC: C1502.1 U1000.AV11(SARADC_IN2)
IR_CAM_RST_AP: U1000.AV35(GPIO3_B4_U)
IR_CAM_STROBE_AP: U1000.AW38(GPIO3_C1_D)
IR_PRO_NTC: R1521.2
LCD_BL_PWM14_M1: U1000.AT15(GPIO4_B2_U)
LCD_PWREN_H: U1000.AY19(GPIO4_A3_D)
LCD_RESET_L: U1000.H39(GPIO1_B0_U)
MIPI_CAM1_CLKOUT: U1000.AV37(GPIO3_A6_D)
MIPI_CAM1_PDN_L: U1000.D39(GPIO1_A6_D)
MIPI_CAM1_PWREN_H: U1000.G37(GPIO1_A4_D)
MIPI_CAM1_RST_L: U1000.M38(GPIO1_B2_D)
MIPI_CAM2_CLKOUT: U1000.AT37(GPIO3_A7_U)
MIPI_CAM2_PDN_L: U1000.H38(GPIO1_A7_U)
MIPI_CAM2_PWREN_H: U1000.G39(GPIO1_B1_D)
MIPI_CAM2_RST_L: U1000.M37(GPIO1_B3_D)
MIPI_CAM3_CLKOUT: U1000.AR39(GPIO3_B0_U)
MIPI_CAM3_PDN_L: U1000.AV30(GPIO3_C6_U)
MIPI_CAM3_PWREN_H: U1000.AV34(GPIO3_C5_U)
MIPI_CAM3_RST_L: U1000.AU34(GPIO3_C4_U)
MIPI_CPHY0_RX_TRIO0_A: U1000.BB38(MIPI_DPHY0_RX_D0N/MIPI_CPHY0_RX)
